# Altium PCB PDB_Mother_v1.1_PCB.PcbDoc (part 2 of 3)
Units mil, origin at the board's own origin, x right, y up, seen from the top; angles counter-clockwise.
Board outline 9606.3 x 3228.35 mil, 4 copper layers (Top Layer, GND, POWER, Bottom Layer), stack 23.756 mil thick; 314 components, 233 nets, 1042 pads, 279 vias.
Unrouted connection lines stored in the file: 171.
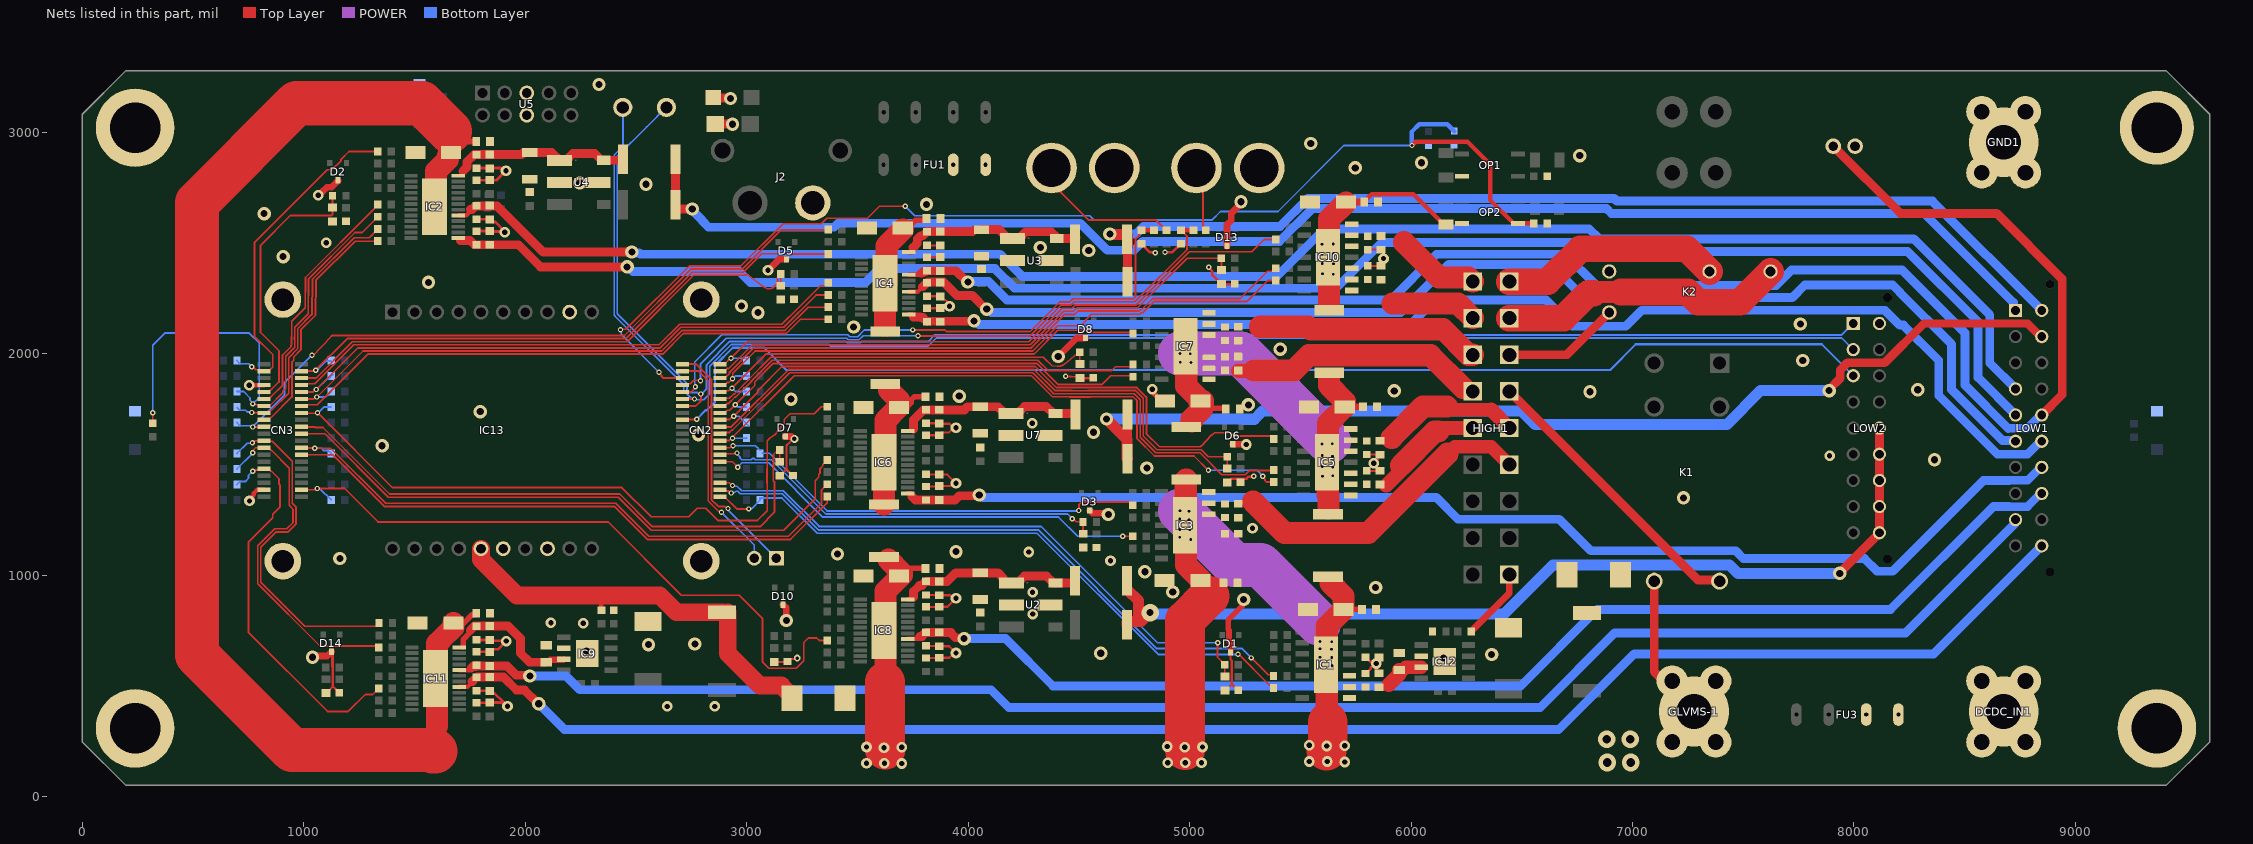
[diagram p3: the nets of this part, all layers, seen from the top]

## Via types
v1: diameter 24, hole 12, Top Layer to Bottom Layer, 120 vias
v2: diameter 60, hole 32, Top Layer to Bottom Layer, 75 vias
v3: diameter 48, hole 24, Top Layer to Bottom Layer, 58 vias
v4: diameter 80, hole 40, Top Layer to Bottom Layer, 12 vias
v5: diameter 314.96, hole 157.48, Top Layer to Bottom Layer, 4 vias
v6: diameter 31.5, hole 31.5, Top Layer to Bottom Layer, 2 vias
v7: diameter 47.24, hole 47.24, Top Layer to Bottom Layer, 2 vias
v8: diameter 80, hole 32, Top Layer to Bottom Layer, 1 vias
v9: diameter 100, hole 50, Top Layer to Bottom Layer, 1 vias
v10: diameter 40, hole 20, Top Layer to Bottom Layer, 1 vias
v11: diameter 48, hole 20, Top Layer to Bottom Layer, 1 vias
v12: diameter 36, hole 20, Top Layer to Bottom Layer, 1 vias
v13: diameter 30, hole 16, Top Layer to Bottom Layer, 1 vias

## Nets (pads, with @x,y where several pads share a name; then routed paths per layer and width w, separated by ;. In a path a pad name is that pad's centre, name@x,y a point inside that pad or via, vN(x,y) a via of type N, cw(c..) or ccw(c..) an arc to the next point about the centre after c; other vN are vias at no path point) (continued)
ACCU_PWR: C21.2 IC4.13 LOW1.16 R80.2 | length 5654.5
  Top Layer w20: IC4.13@3731.54,2177.28 3750.42,2177.28 3751.56,2176.13 3751.56,2165.44 3752,2165
  Top Layer w40: 3752,2165 3783.27,2165 3785.72,2162.54 3795.92,2162.54 R80.2@3814.21,2144.25 ; R80.2@3816.43,2146 4024,2146 v2(4026,2148)
  Bottom Layer w38: 8648.3,1545.7 8784.11,1545.7 8843.03,1604.62 LOW1.16@8848.11,1604.62
  Bottom Layer w40: v2(4026,2148) 4031.41,2148 4048.41,2131 5997,2131 6109,2243 6609,2243 6728.48,2123.52 6969.52,2123.52 7042.09,2196.09 8139.82,2196.09 8206.91,2129 8223,2129 8383,1969 8383,1811 8648.3,1545.7
ACCU_PWR_EN: CN3.35 R58.2 R72.2 | length 2626.4
  Top Layer w8: CN3.35@990.55,1795.28 1045.31,1795.28 1054.04,1804 1059.6,1804 1267.6,2012 2615.6,2012 2708.6,2105 3173.2,2105 3278.2,2210 R72.2@3368.98,2210
  Bottom Layer w8: v1(1058,1804) 1098.97,1804 1109.77,1814.8 1110.76,1814.8 1123.49,1827.54 R58.2@1123.49,1828.52
ACCU_UBR: C61.2 IC11.17 LOW1.20 R173.2 | length 7605.1
  Top Layer w20: IC11.17@1702.56,494.34 1703.3,495.07 1739.21,495.07 1759.86,515.72 1759.86,520.22
  Top Layer w40: 1759.86,520.22 1761.71,520.22 R173.2@1780,538.51 ; R173.2@1783.64,539.5 1902.33,539.5 1960.67,481.16 1995.88,481.16 2058.04,419 v2(2061,419)
  Bottom Layer w40: v2(2061,419) 2178,302 6666,302 7008,644 8359.93,644 LOW1.20@8848.11,1132.18
ACCU_UBR_EN: CN3.16 R158.2 R171.2 | length 1780.3
  Top Layer w8: v1(769,1469) 773.33,1469 778.94,1474.62 795.09,1474.62 800.79,1480.32 840.16,1480.32 846,1474.47 846,1473.35 850.69,1468.66 854.14,1468.66 888,1434.8 888,1411.67 892,1407.67 892,1307.09 859.76,1274.85 859.76,1258.96 750,1149.2 750,741.61 1107.14,384.47 1200.86,384.47 1277.11,460.72 1311.69,460.72 R171.2@1338.98,488
  Bottom Layer w8: R158.2@698.51,1408.57 698.51,1409.56 711.24,1422.29 735.16,1422.29 750.55,1437.68 750.55,1450.55 v1(769,1469)
active_switch_IL+: HIGH1.8 K2.4 | length 1304.4
  Top Layer w100: 6824.2,2273 6829.76,2278.56 6947.37,2278.56 6947.41,2278.52
  Top Layer w120: HIGH1.8@6444,2160.24 6689.24,2160.24 6802,2273 6824.2,2273 ; 6947.41,2278.52 7250.48,2278.52 7296,2233 7485.31,2233 K2.4@7623.35,2371.04
active_switch_IL-: HIGH1.9 K2.3 | length 1009.1
  Top Layer w65: K2.3@7348.86,2372.14 K2.3@7350,2371
  Top Layer w120: HIGH1.9@6444,2325.59 6616.76,2325.59 6764.69,2473.52 7245.28,2473.52 K2.3@7347.76,2371.04
AIR+: HIGH1.7 K2.1 | length 532.4
  Top Layer w40: HIGH1.7@6444,1994.88 6703.88,1994.88 K2.1@6895,2186 K2.1@6895,2186
  Top Layer w65: K2.1@6895,2186 K2.1@6897.24,2185.96
BAT_voltage_IN14: CN2.5 R13.2 R20.1 | length 2675.4
  Top Layer w8: CN2.5@2710.24,1826.77 2710.43,1826.96 2748.96,1826.96 2756.6,1834.6 2756.6,1834.79 2768.48,1846.67 v1(2768.48,1851) ; v1(3749.92,2107.18) 3894.32,2107.18 3901.35,2100.16 4280.56,2100.16 4413.73,2233.33 4458.24,2233.33 4472.98,2248.07 4746.89,2248.07 4755.28,2256.46 4755.28,2516.36 4771.51,2532.59 4771.51,2545.02 R20.1@4783,2556.51
  Top Layer w20: R20.1@4783.26,2556.77 R13.2@4838.74,2556.77
  Bottom Layer w8: v1(2768.48,1851) 2765.41,1854.06 2765.41,1865.91 2765.09,1866.23 2765.09,1962.09 2888.18,2085.18 3456.45,2085.18 3464.91,2076.72 3501.37,2076.72 3531.65,2107 3749.73,2107 v1(3749.92,2107.18)
BAT_voltage_IN15: CN2.4 R12.2 R19.1 | length 2739.4
  Top Layer w8: CN2.4@2710.24,1858.27 2716.08,1864.11 2744.82,1864.11 2760.77,1880.06 2788.03,1880.06 v1(2791.09,1877) ; v1(3773.78,2081.18) 3774.96,2080 4280.2,2080 4419.53,2219.33 4464.04,2219.33 4478.78,2234.07 4752.69,2234.07 4988.72,2470.1 4988.72,2530.29 4961.98,2557.02 R19.1@4961,2557.02
  Top Layer w20: R19.1@4961.98,2557.02 R12.2@5017,2557.02
  Bottom Layer w8: v1(2791.09,1877) 2791,1877.09 2791,1953 2907.18,2069.18 3452.65,2069.18 3459.12,2062.72 3507.16,2062.72 3525.63,2081.18 v1(3773.78,2081.18)
BATTERY_1: FU1.1 J3.+ R4.2 | length 674.8
  Top Layer w10: J3.+@4376.54,2838.44 4418.32,2796.66 4418.32,2728.68 4544,2603 4848.04,2603 4894.02,2557.02 R4.2@4895,2557.02
BATTERY_2: J1.+ J3.- R3.2 | length 299.4
  Top Layer w10: J1.+@5031,2838.44 5060.28,2809.16 5060.28,2568.76 5072.02,2557.02 R3.2@5073,2557.02
BDU_PWR: C30.2 IC6.13 LOW1.17 R106.2 | length 5488.6
  Top Layer w20: IC6.13@3726.77,1369.25 3745.65,1369.25 3746.79,1368.11 3746.79,1353.95
  Top Layer w40: 3746.79,1353.95 3761.49,1339.25 R106.2@3809.21,1339.25 3941.84,1339.25 3960.76,1358.17 4046.17,1358.17 v2(4050,1362)
  Bottom Layer w38: 8699.77,1427.59 8784.11,1427.59 8843.03,1486.51 LOW1.17@8848.11,1486.51
  Bottom Layer w40: v2(4050,1362) 4055.41,1362 4066.41,1351 6113,1351 6212,1252 6669.21,1252 6811.21,1110 7465.36,1110 7500.36,1075 8047,1075 8104.65,1017.35 8175.13,1017.35 8585.37,1427.59 8699.77,1427.59
BDU_PWR_EN: CN3.28 R88.2 R99.2 | length 2755.1
  Top Layer w8: CN3.28@990.55,1574.8 991.45,1573.9 1049.1,1573.9 v1(1050,1573) ; v1@1051.8,1574.8 1053.61,1573 1120.8,1573 1369.8,1324 2408.59,1324 2557.59,1175 3188.8,1175 3337.24,1323.45 3337.24,1383.27 3350.26,1396.28 3351.24,1396.28 3363.98,1409.02 R99.2@3363.98,1410
  Bottom Layer w8: v1(1050,1573) 1080.22,1573 1090.95,1562.27 1110.76,1562.27 1123.49,1549.54 R88.2@1123.49,1548.56
BSPD_PWR: C19.2 IC4.17 LOW1.6 R74.2 | length 5662.3
  Top Layer w20: IC4.17@3731.54,2279.64 3732.28,2280.37 3773.32,2280.37 3793.54,2300.59 3793.54,2301.98
  Top Layer w40: 3792.9,2301.98 3795.92,2301.98 R74.2@3818.12,2324.18 ; R74.2@3814.21,2320.28 R74.2@3818.12,2324.18 ; C19.2@3867.9,2324.18 R74.2@3818.12,2324.18 ; C19.2@3876.32,2323 3889,2323 3949.07,2262.93 4018.65,2262.93 4080.57,2201 v2(4084,2201)
  Bottom Layer w40: v2(4084,2201) 4089.41,2201 4105.41,2185 5952,2185 6170,2403 6631,2403 6781,2253 7721,2253 7778.11,2310.11 8175.13,2310.11 8207.83,2277.41 8207.83,2275.17 8441,2042 8441,1837 8669.58,1608.42 8726.2,1608.42 LOW1.6@8730,1604.62
BSPD_PWR_EN: CN3.36 R59.2 R68.2 | length 2664.2
  Top Layer w8: CN3.36@990.55,1826.77 1041.27,1826.77 1052.53,1838.03 v1(1056.86,1838.03) ; v1@1057,1838.17 1244.83,2026 2609.8,2026 2702.8,2119 3167.4,2119 3313.4,2265 R68.2@3368.98,2265
  Bottom Layer w8: v1(1056.86,1838.03) 1103.62,1884.8 1110.76,1884.8 1129.49,1903.53 R59.2@1129.49,1908.18
BUZZER_CTRL: LOW2.10
BUZZER_PWR: C42.2 IC8.17 LOW1.18 R136.2 | length 5584.6
  Top Layer w20: IC8.17@3726.77,711.61 3779.52,711.61
  Top Layer w25: R136.2@3809.21,741.3 R136.2@3809.44,741.54
  Top Layer w40: 3782.79,723.01 3790.92,723.01 R136.2@3809.21,741.3 ; R136.2@3809.44,741.54 3922.2,741.54 3922.44,741.77 ; 3922.44,737.21 3942.82,716.83 3978.17,716.83 v2(3982,713)
  Bottom Layer w38: 8700.48,1309.48 8784.11,1309.48 8843.03,1368.4 LOW1.18@8848.11,1368.4
  Bottom Layer w40: v2(3982,713) 4169,713 4383,499 6494.78,499 6840.78,845 8164.98,845 8629.46,1309.48 8700.48,1309.48
BUZZER_PWR_EN: CN3.22 R124.2 R134.2 | length 3020.8
  Top Layer w8: CN3.22@990.55,1385.83 1051.17,1385.83 1056.67,1391.32 v1(1061,1391.32) 1183.68,1391.32 1335,1240 2373.8,1240 2704.8,909 2966.8,909 3071,804.8 3071,608.8 3100.23,579.57 3223.6,579.57 3257.51,613.48 3257.51,695.5 3278.01,716 3316.57,716 3327.57,705 R134.2@3363.98,705
  Bottom Layer w8: v1(1061,1391.32) 1064.06,1388.26 1074.79,1388.26 1123.49,1339.57 R124.2@1123.49,1338.58
CAN_H: CN2.6 LOW2.2 U6.1 | length 7014.9
  Top Layer w8: CN2.6@2710.24,1795.28 2710.37,1795.14 2764.09,1795.14 v1(2764.23,1795)
  Top Layer w10: LOW2.2@7982.52,2003.7 LOW2.2@7982.52,2018.94 ; LOW2.2@7996.89,2018.06 LOW2.2@7996.89,2025.06
  Bottom Layer w8: U6.1@2440.57,3112 2441,3111.57 2441,2936 2402,2897 2402,2174.2 2405.43,2170.77 2405.43,2169.43 2716,1858.86 2716,1832 2749.94,1798.06 2761.17,1798.06 v1(2764.23,1795) ; v1@2765,1795 2768.06,1791.94 2776.92,1791.94 2805.71,1791.94 2833,1819.23 2833,1943.76 2930.42,2041.18 3371.83,2041.18 3378.3,2034.72 3819.72,2034.72 3855.56,2070.56 7944.4,2070.56 LOW2.2@7996.89,2018.06
CAN_L: CN2.7 LOW2.1 U6.2 | length 7133.3
  Top Layer w8: CN2.7@2710.24,1763.78 2769.78,1763.78 2794.14,1788.14 2794.14,1816.8 v1(2793,1817.94) ; LOW2.1@7973.71,2159.35 LOW2.1@7996.89,2136.17
  Bottom Layer w8: U6.2@2633.43,3116 U6.2@2637.43,3120 ; U6.2@2637.43,3112 2548.71,3023.29 2548.09,3023.29 2416,2891.2 2416,2180 2730,1866 2730,1839 2744,1825 2776.25,1825 2780.25,1821 2789.94,1821 v1(2793,1817.94) ; v1@2793.97,1816.97 2819,1842 2819,1950 2924.18,2055.18 3446.85,2055.18 3453.32,2048.72 3512.96,2048.72 3518.76,2054.51 3819.71,2054.51 3849.76,2084.56 7945.27,2084.56 LOW2.1@7996.89,2136.17
DCDC_CTRL: HIGH1.6 K1.5 | length 1304.2
  Top Layer w40: HIGH1.6@6444,1829.53 6463.37,1810.16 7294.89,978.64 7387.24,978.64 K1.5@7393.28,972.6
DCDC_IN: DCDC_IN1.1 DCDC_IN1.2 DCDC_IN1.3 DCDC_IN1.4 FU3.2 | length 19.5
  Top Layer w200: v5@8662.2,370.2 v5(8676,384)
DRS_CTRL: CN2.9 LOW2.3 | length 5666.3
  Top Layer w10: CN2.9@2710.24,1700.79 2711.63,1702.18 2772.45,1702.18 v1(2773.83,1703.57)
  Bottom Layer w10: v1(2773.83,1703.57) 2814.28,1744.02 2819.23,1744.02 2857,1781.79 2857,1946.55 2936.63,2026.18 3078.84,2026.18 3179.02,1926 6899,1926 7015,2042 7854.84,2042 LOW2.3@7996.89,1899.95
DRS_PWR_8V: C57.1 HIGH1.1 L2.2 R169.2 | length 327.8
  Top Layer w30: R169.2@6272.51,746 6272.51,746.98 6359.08,833.55 6359.17,833.55 6444,918.38 HIGH1.1@6444,1002.76
DRS_PWR_8V_a: C3.2 C58.2 IC1.8 IC1.9 IC1.10 IC12.7 R22.2 | length 197.9
  Top Layer w60: C58.2@5947,555 5976.2,584.2 IC12.7@6046,584.2
  Top Layer w65: 5899.5,504.5 5947,552 C58.2@5947,571.61
DRS_PWR_8V_EN: CN2.21 R8.2 R17.2 | length 2905.8
  Top Layer w8: CN2.21@2881,1360.17 2886.84,1354.33 2900,1354.33 2955.46,1298.87 v1(3009,1298.87) ; v1(5218.81,642) 5221.59,642 5359.87,503.72 5366.24,503.72 5378.98,490.98 R17.2@5378.98,490
  Bottom Layer w8: v1(3009,1298.87) 3012.06,1301.93 3024.34,1301.93 3060.02,1337.6 3060.02,1348 3159,1348 3318,1189 4311,1189 4858,642 v1(5218.81,642)
DSBD_PWR: C12.2 IC2.13 LOW1.5 R52.2 | length 7718.9
  Top Layer w40: 1707.58,2510.83 1751.46,2510.83 1770.79,2491.5 C12.2@1840,2491.5 1969.5,2491.5 2069,2392 v2(2460,2392)
  Bottom Layer w40: v2(2460,2392) 2465.41,2392 2486.41,2371 2966.98,2371 3015.98,2322 3537.35,2322 3599.35,2384 4120.71,2384 4209.71,2295 5661,2295 5868,2502 6776,2502 6817,2461 8243,2461 8560.04,2143.96 8560.04,1892.69 LOW1.5@8730,1722.73
DSBD_PWR_EN: CN3.8 R27.2 R45.2 | length 1228.8
  Top Layer w8: v1(765,1734) 765.86,1733.14 838.02,1733.14 839.52,1731.64 846,1738.13 846,1739.25 850.69,1743.94 854.14,1743.94 932.2,1822 932.2,1982.24 973.13,2023.17 973.13,2060.17 cw(c1040.32,2070.68) 973.13,2081.2 973.13,2113.53 1034.58,2174.97 1036.88,2177.28 1038.8,2334.6 1227.2,2523 1294.96,2523 1333.98,2562.02 R45.2@1333.98,2563
  Bottom Layer w8: R27.2@700,1758 700,1756.06 711.24,1744.81 737,1744.81 744.75,1737.06 761.94,1737.06 v1(765,1734)
EC800M_PWR_8V: C47.1 IC13.15 L1.2 R144.2 | length 1889
  Top Layer w20: 2340,902 2344,898 R144.2@2344,841.51
  Top Layer w50: L1.2@2889,832.2 L1.2@2915,832.2
  Top Layer w80: IC13.15@1800.39,1119.54 1800.39,1070.61 1963,908 2607.18,908 2682.98,832.2 L1.2@2889,832.2 ; L1.2@2915,832.2 2915,646 3060,501 3156.76,501 3203.92,453.84 C47.1@3203.92,444
EC800M_PWR_8V_a: C48.2 C56.2 IC9.7 IC11.24 R165.2 | length 602
  Top Layer w25: IC11.24@1720.08,677.11 1720.08,709.11 1755.58,744.61
  Top Layer w30: C48.2@2114.06,617.8 2171.25,617.8 IC9.7@2173.46,620
  Top Layer w40: 1751.71,748.48 1751.71,750.73 1770.47,769.5 C56.2@1840,769.5 1922.87,769.5 1978.06,714.31 1978.06,648.3 2019.75,606.61 C48.2@2095,606.61
EC800M_PWR_8V_EN: CN3.12 R160.2 R166.2 | length 1584.8
  Top Layer w8: v1(768,1597) 770.78,1597 780.08,1606.3 CN3.12@820.47,1606.3 822.09,1604.69 857.31,1604.69 948,1514 948,1324 965.26,1306.74 965.26,1231.16 929.1,1195 875,1195 806,1126 806,966.88 1003.6,769.28 1326.76,769.28 R166.2@1339.49,782.02
  Bottom Layer w8: R160.2@698.51,1548.56 698.51,1549.54 744,1595.03 766.03,1595.03 v1(768,1597)
ENERGE_METER_PWR: C59.2 IC11.20 LOW1.9 R170.2 | length 7482.7
  Top Layer w20: IC11.20@1702.56,571.11 1758.13,571.11
  Top Layer w40: 1758.13,581.7 1763.53,587.09 1774.6,587.09 R170.2@1777.52,590.01 ; R170.2@1767.39,590.01 R170.2@1777.52,590.01 ; R170.2@1780,592.49 R170.2@1777.52,590.01 ; v2(2020.83,544.02) 2017.01,547.85 1959.03,547.85 1916.87,590.01 C59.2@1840,590.01 R170.2@1777.52,590.01
  Bottom Layer w40: v2(2020.83,544.02) 2184.98,544.02 2247,482 4103.08,482 4183.08,402 6583,402 6920,739 8234,739 8726.2,1231.2 8726.2,1246.49 LOW1.9@8730,1250.29
ENERGE_METER_PWR_EN: CN3.13 R159.2 R168.2 | length 1614.8
  Top Layer w8: v1(768.94,1552) 772.01,1555.06 772.01,1565.01 781.8,1574.8 840.16,1574.8 846,1568.96 846,1567.84 850.69,1563.15 854.14,1563.15 934,1483.29 934,1315 951.26,1297.74 951.26,1236.96 923.3,1209 869.2,1209 792,1131.8 792,1106 792,961.08 1073.08,680 1331.98,680 R168.2@1338.98,673
  Bottom Layer w8: R159.2@698.51,1478.57 698.51,1479.55 768.94,1549.98 v1(768.94,1552)
FAN1_PWR: C23.2 HIGH1.14 IC5.8 IC5.9 IC5.10 R83.2 | length 512.8
  Top Layer w65: 5887.5,1404.5 5954.55,1471.55 5954.55,1495.55 ; 6123.18,1648 6139.36,1664.18 HIGH1.14@6278.65,1664.18
  Top Layer w100: 5954.55,1495.55 6107,1648 6123.18,1648
FAN1_PWR_EN: CN2.29 R70.2 R78.2 | length 2987.3
  Top Layer w8: CN2.29@2880.31,1606.3 2882.13,1608.11 2921.84,1608.11 v1@2928.61,1614.88 ; v1@2935.12,1614.88 2936,1614 2936,1622 3214,1900 4286.01,1900 4381.01,1805 4457.76,1805 4457.98,1804.79 4552.02,1804.79 4552.24,1805 4744.41,1805 4763,1786.41 4763,1616.4 4841.4,1538 5020,1538 v1(5085,1473) ; v1(5331,1446.8) 5331,1442.47 5340.24,1433.23 5340.24,1427.76 5348,1420 R78.2@5379.49,1420
  Bottom Layer w8: v1(2936,1617.94) 2998.39,1617.94 R70.2@2998.99,1618.55 ; v1(5085,1473) 5304.8,1473 v1(5331,1446.8)
FAN2_PWR: C33.2 HIGH1.15 IC7.8 IC7.9 IC7.10 R113.2 | length 1158.1
  Top Layer w65: C33.2@5220,1923.5 5292,1923.5 ; 6228.89,1840.84 6231.35,1838.37 6269.81,1838.37 HIGH1.15@6278.65,1829.54
  Top Layer w100: 5292,1923.5 5470.49,1923.5 5539.87,1992.89 6087.14,1992.89 6234.04,1845.99
FAN2_PWR_EN: CN2.33 R104.2 R111.2 | length 2076
  Top Layer w8: CN2.33@2880.31,1732.28 2900,1732.28 2911.65,1743.94 2923.94,1743.94 v1(2949,1769) 3036.21,1856.21 3036.21,1871.85 3120.37,1956 4309.2,1956 4404.2,1861 4480.96,1861 4481.17,1860.79 4528.83,1860.79 4529.04,1861 4604.9,1861 4643.9,1900 R111.2@4744.49,1900
  Bottom Layer w8: v1(2949,1769) 2951.22,1769 2961.69,1758.53 R104.2@2998.99,1758.53
FAN3_PWR: C32.2 HIGH1.16 IC7.12 IC7.13 IC7.14 R110.2 | length 1013.1
  Top Layer w100: 5318,2121.5 5535.49,2121.5 5546.99,2110 6145,2110 6260.12,1994.88 HIGH1.16@6278.65,1994.88
FAN3_PWR_EN: CN2.36 R105.2 R109.2 | length 2056.7
  Top Layer w8: CN2.36@2880.31,1826.77 2886.16,1832.61 2918.28,1832.61 2929.67,1844 v1(2934,1844) 2934,1846 3086,1998 4297.2,1998 4404.83,2105.63 4544.5,2105.63 4555.13,2095 R109.2@4744.49,2095
  Bottom Layer w8: v1(2934,1844) 2949.48,1828.52 R105.2@2998.99,1828.52
FIREON_PWR: C10.2 IC2.17 LOW1.4 R46.2 | length 7679.9
  Top Layer w20: IC2.17@1697.56,2625.07 1734.21,2625.07 1743.58,2634.44
  Top Layer w40: 1753.58,2650.22 1759.22,2650.22 1775,2666 1873.65,2666 2081.06,2458.59 v2(2481.59,2458.59)
  Bottom Layer w40: v2(2481.59,2458.59) 2485.41,2454.76 2514.88,2454.76 2520.64,2449 4145,2449 4246,2348 5392.6,2348 5607.6,2563 6804,2563 6849,2518 8269.95,2518 8613,2174.95 8613,1957.84 LOW1.4@8730,1840.84
FIREON_PWR_EN: CN3.7 R28.2 R42.2 R50.1 | length 2417.4
  Top Layer w8: R50.1@318,1686.51 v1(318,1733) ; v1(770,1773) 773.06,1769.94 780.85,1769.94 781.16,1769.62 794.94,1769.62 800.79,1763.78 845.35,1763.78 905.29,1823.71 905.29,1829.49 918.2,1842.41 918.2,1988.04 959.13,2028.97 959.13,2056.98 958.56,2064.33 cw(c1040.32,2070.68) 959.13,2082.24 959.13,2119.33 1017.56,2177.76 1019.86,2180.06 1021.79,2337.39 1231.4,2547 1263.96,2547 R42.2@1333.98,2617.02
  Top Layer w10: R42.2@1333.98,2617.02 R42.2@1333.98,2618
  Bottom Layer w8: v1(318,1733) 318,2038 373,2093 754.12,2093 798.79,2048.33 798.79,1801.79 v1(770,1773) 770,1777.33 757.24,1790.08 757.24,1799.84 728.09,1829 R28.2@699,1829
GLVMS-: C1.1 C5.1 C6.1 C16.1 C28.1 C35.1 C43.1 C52.1 GLVMS-1.1 GLVMS-1.2 GLVMS-1.3 GLVMS-1.4 IC1.15 IC2.25 IC3.15 IC5.15 IC7.15 IC8.25 IC10.15 IC11.25 K1.6 R1.1 R1.2 R10.2 R25.1 R25.2 R56.1 R56.2 R114.1 ZDB1.2 ZDB2.2 ZDB3.2 ZDB5.2 ZDB7.2 ZDB8.2 ZDB9.2 ZDB10.2 | length 13212.1
  Top Layer w20: C43.1@5788.5,2685 5788.5,2686.97 5822.22,2720.69 6009.81,2720.69 6147.17,2583.32 R10.2@6158,2583.32
  Top Layer w25: ZDB2.2@1690.71,2933 1715.71,2958 C5.1@1778.5,2958 ; ZDB10.2@1719.05,780.05 1759.81,820.81 1773.29,820.81 1778.5,826.03 C52.1@1778.5,828 ; ZDB8.2@3715.67,1000.28 3745.67,1030.28 C35.1@3807.71,1030.28 ; 5057.32,1752.5 5151,1752.5 C28.1@5153.5,1750 ; ZDB3.2@5065.63,970.51 5147.71,970.51 C6.1@5152.71,965.51 ; ZDB1.2@5695.71,845 C1.1@5778.5,845
  Top Layer w30: ZDB5.2@5700.71,1760 C16.1@5783.5,1760 ; ZDB9.2@5705.71,2685 C43.1@5788.5,2685
  Top Layer w40: K1.6@7098,972.6 7098,563.43 v5(7277.43,384)
  Top Layer w100: IC2.25@1590.79,2662.72 1597.29,2669.22 1597.29,2823.54 1651.73,2877.99 ZDB2.2@1651.73,2894.02 ; 1602.29,318.18 1602.29,470.23 1595.79,476.72 1598.5,532.59 1602.29,610.68 1602.29,691.03 1616.54,705.53 1675.71,764.69 ZDB10.2@1675.71,783 ; 3626.5,591.45 3626.5,743.5 IC8.25@3620,750 3626.5,756.5 3626.5,926.85 ZDB8.2@3699.92,1000.28 ; R114.1@3640,1070 ZDB8.2@3699.92,1010.08 ; IC7.15@4980.79,2004.49 4984.91,2000.37 IC7.15@4984.91,1918.49 ; IC3.15@4982.5,1290 4982.5,1429.39 R25.1@4985,1431.89 ; IC3.15@4984.13,1161 4984.13,1045.41 ZDB3.2@5051.13,978.42 ; IC7.15@4984.93,1918.47 4984.93,1854.07 5053,1786 ZDB7.2@5060.42,1786 ; 5010,1695 5010,1704.29 5057.77,1752.06 ; ZDB7.2@5043.48,1784.81 5053.29,1775 ZDB7.2@5060.71,1775 ; ZDB3.2@5048.71,976 5090,934.71 5090,906 ; 5619.13,410.87 5619.13,590.87 IC1.15@5615,595 5619.13,599.13 5619.13,768.43 ZDB1.2@5695.71,845 5695.71,904.29 5636,964 ; 5622.9,1362.8 5622.9,1447 5622.9,1507.38 IC5.15@5620.79,1509.49 5624.93,1513.62 5624.93,1592 5624.93,1684.22 ZDB5.2@5700.71,1760 5700.71,1784.15 5629,1855.85 5629,1880 ; 5628,1302.11 5628,1362.8 ; 5630,2223.11 5630,2606.68 ZDB9.2@5705.71,2682.39
  Top Layer w180: v3@3625,213 3625,518 ; v3@3626,212 v3@3628,214 ; v3@4979.02,210 4979.02,795.02 5090,906 ; v3@5618,207 5618,226 5624,232 5624,337
  Top Layer w200: 1594,204 1580.81,204 1574.81,210 947,210 518,639 518,2682 967,3131 1532.8,3131 1659,3004.8 ; v5@7246.32,381 v5@7277.43,381
  POWER w200: v1(4957,1290) 5201,1046 5319,1046 5583.31,781.69 ; v1(4957,2001) 5231,2001 5629,1603
  other v1: 5643,592 5590,593 5642,628 5589,629 5641,665 5589,667 5641.77,699 5589.23,700 5005,1161 4955,1171 5000,1204 4955,1206 4997,1250 4956,1253 4997,1289 5600,1447 5646,1448 5647,1487 5599,1490 5645,1537 5599,1540 5598,1592 5644,1593 5006,1960 4958,1961 5003,1999 5003,2038 4956,2040 5648,2359 5600,2361 5650,2406 5599,2407 5599,2450 5650,2452 5598,2494 5648,2495
  other v3: 3700,149 3541,151 3622,151 4902,152 5054,152 4980,153 5700,156 5541,158 5622,158 3620,221 3700,222 4978,223 3541,224 5058,224 4899,226 5620,228 5700,229 5541,231
  other v4: 6886,154 6992,154 6884,259 6990,259
GLVMS-1: C25.1 IC6.25 R86.1 R114.2 ZDB6.2 | length 662.9
  Top Layer w25: 3733.82,1768.43 3742.69,1777.3 3742.69,1790.63 3757.34,1805.28 C25.1@3807.71,1805.28
  Top Layer w100: R114.2@3620,1318.11 IC6.25@3620,1510 3626.5,1516.5 3626.5,1698.08 3688.42,1760 3688.42,1789.58 3641.93,1836.07 3641.93,1836.42